# Allegro board LAY-29364_B.brd (continued)
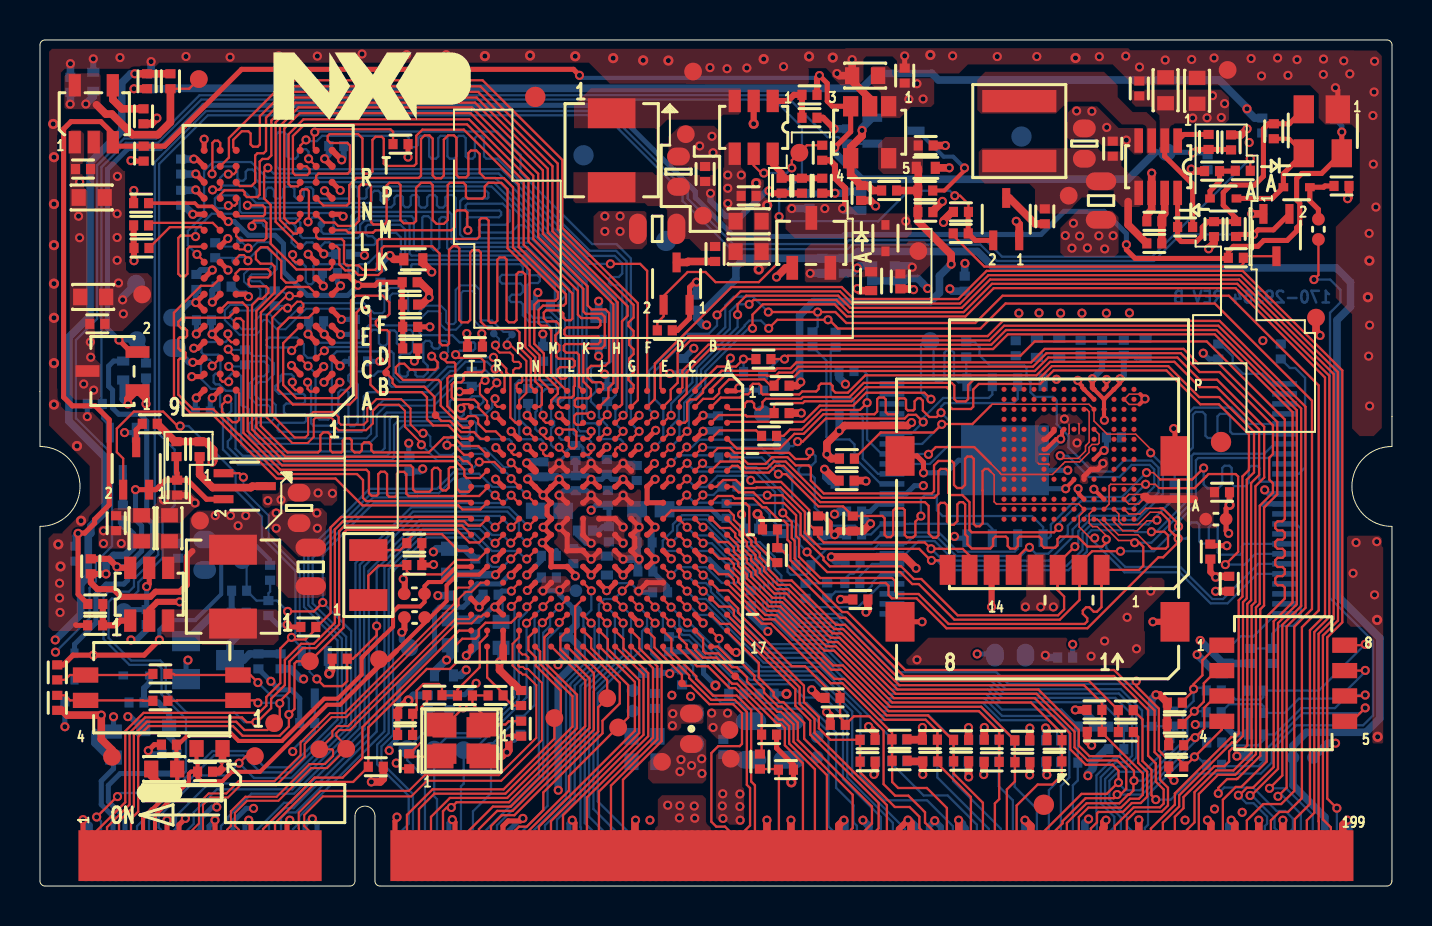
[diagram p0: board, top side]
## Nets (continued)
ECSPI4_MOSI: P801.121 U101.B15
ECSPI4_SCLK: P801.119 U101.A16
ECSPI4_SS0: P801.109 U101.D16
EMMC_VDDIM: C311.1 C312.1 U301.C2
ENET1_CRS_DV: P801.101 U101.E16
ENET1_NINT: P801.12 U101.N8
ENET1_RXD0: P801.97 TP402.1(PIN1) U101.F16
ENET1_RXD1: P801.99 U101.E17
ENET1_RXER: P801.126 U101.D15
ENET1_TX_CLK: C417.2 P801.118 R409.2
ENET1_TXD0: P801.122 U101.E15
ENET1_TXD1: P801.124 U101.E14
ENET1_TXEN: P801.114 U101.F15
ENET2_CRS_DV: P801.117 U101.B17
ENET2_NINT: P801.42 U101.N11
ENET2_RXD0: P801.111 TP403.1(PIN1) U101.C17
ENET2_RXD1: P801.113 U101.C16
ENET2_TXD0: P801.123 U101.A15
ENET_MDC: P801.53 U101.L16
ENET_MDIO: P801.61 U101.K17
GPANAIO: U101.R13
GPIO_0: P801.64 U101.K13
GPIO_1: P801.62 U101.L15
GPIO_2: P801.58 U101.L14
GPIO_3: P801.55 U101.L17
GPIO_4: P801.47 U101.M16
GPIO_5: P801.49 Q703.2 R725.1 U101.M17
GPIO_9: P801.56 U101.M15
GPIO_DVFS: P801.34 Q702.2 R715.1 U101.P10
HDMI_INT: P801.66 U101.K15
I2C1_SCL: P801.75 U101.G17
I2C1_SDA: P801.77 U101.G16
I2C2_SCL: P801.79 U101.F17
I2C2_SDA: P801.68 U101.G13
JTAG_MOD: P801.33 R507.1 U101.P15
JTAG_NTRST: P801.48 TP502.1(TP) U101.N14
JTAG_TCK: P801.54 R503.1 TP505.1(TP) U101.M14
JTAG_TDI: P801.43 TP503.1(TP) U101.N16
JTAG_TDO: P801.52 TP506.1(TP) U101.N15
JTAG_TMS: P801.46 TP504.1(TP) U101.P14
LCD_DATA0: P801.153 R630.1 R631.2 SW601.1 U101.B9
LCD_DATA1: P801.155 R623.1 R632.2 U101.A9
LCD_DATA2: P801.164 R622.1 R633.2 U101.E10
LCD_DATA3: P801.154 R621.1 R634.2 U101.D10
LCD_DATA4: P801.158 R620.1 R635.2 U101.C10
LCD_DATA5: P801.149 R629.1 R636.2 SW601.2 U101.B10
LCD_DATA6: P801.151 R628.1 R637.2 SW601.3 U101.A10
LCD_DATA7: P801.166 R627.1 R638.2 SW601.4 U101.D11
LCD_DATA8: P801.143 R616.1 R639.2 U101.B11
LCD_DATA9: P801.145 R615.1 R640.2 U101.A11
LCD_DATA10: P801.152 R614.1 R641.2 U101.E12
LCD_DATA11: P801.148 R613.1 R642.2 U101.D12
LCD_DATA12: P801.150 R612.1 R643.2 U101.C12
LCD_DATA13: P801.139 R611.1 R644.2 U101.B12
LCD_DATA14: P801.141 R610.1 R645.2 U101.A12
LCD_DATA15: P801.142 R609.1 R646.2 U101.D13
LCD_DATA16: P801.144 R608.1 R647.2 U101.C13
LCD_DATA17: P801.133 R607.1 R648.2 U101.B13
LCD_DATA18: P801.137 R606.1 R649.2 U101.A13
LCD_DATA19: P801.138 R605.1 R650.2 U101.D14
LCD_DATA20: P801.140 R604.1 R651.2 U101.C14
LCD_DATA21: P801.129 R603.1 R652.2 U101.B14
LCD_DATA22: P801.131 R602.1 R653.2 U101.A14
LCD_DATA23: P801.134 R601.1 R654.2 U101.B16
LCD_DE: P801.163 U101.B8
LCD_DISP: P801.10 U101.R6
LCD_HSYNC: P801.160 U101.D9
LCD_PCLK: C414.2 P801.161 R413.2
LCD_RESET: R404.1 R405.1 U101.E9
LCD_RST: P801.157 R405.2
LCD_VSYNC: P801.162 U101.C9
MX6_POR_B: P801.4 R757.1
NAND_ALE: R301.1 R412.2 U301.K5 U302.17
NAND_CE3N: R311.2 R319.2 U302.14
NAND_CE4N: R312.2 R320.2 U302.15
NAND_CLE: U101.A4 U302.16 U303.7
NAND_DATA0: J301.7 R321.2 R324.2 U101.D7 U301.A3
NAND_DATA1: J301.8 U101.B7 U301.A4 U302.30
NAND_DATA2: J301.1 U101.A7 U301.A5 U302.31
NAND_DATA3: J301.2 U101.D6 U301.B2 U302.32
NAND_DATA4: U101.C6 U301.B3 U302.41
NAND_DATA5: U101.B6 U301.B4 U302.42
NAND_DATA6: U101.A6 U301.B5 U302.43
NAND_DATA7: U101.A5 U301.B6 U302.44
NAND_DQS: R315.2 R408.2 U302.35 U303.1
NAND_NCE0: R318.2 U101.C5 U302.9 U303.2
NAND_NCE1: R303.2 U101.B5 U302.10 U303.3(W\/DQ2)
NAND_NRE: C415.2 J301.5 R406.2 U301.M6 U302.8
NAND_NREADY: R323.1 TP301.1(TP) U101.A3 U303.5
NAND_NWE: J301.3 R322.2 R407.2 U301.M5 U302.18
NAND_NWP: TP303.1(TP) U101.D5 U302.19(W\P\) U303.6
NAND_RB0: R304.1 R305.1 R306.1 R317.2 R323.2 U302.7
NAND_RB1: R306.2 U302.6
NAND_RB2: R305.2 U302.5
NAND_RB3: R304.2 U302.4
NUSB_OTG_CHD: P801.31 U101.U16
NVCC_CSI: C404.1 C809.1 C818.1 P801.196 R703.2 R704.2 U101.F4
NVCC_NAND: C304.1 C305.1 C306.1 C319.1 C321.1 C322.1 C323.1 C403.1 R701.2 R702.2 U101.E7 U301.C6 U301.M4 U301.N4 U301.P3 U301.P5
NVCC_PLL_OUT: C121.1 C122.1 U101.P13
NVCC_SD: C405.1 C732.1 C733.1 R402.1 R403.1 R720.1 R721.1 R731.2 TP709.1(TP) U101.C4 U707.5
NWDOG: C738.1 R404.2
ONOFF: P801.14 TP508.1(TP) TP816.1(TP) U101.R8
OSC_CLK: C506.1 R508.2 R514.1 Y501.1 Y503.3
PERI_PWREN: P801.44 U101.P11
PMIC_ON_REQ: P801.5 Q704.2 R733.2 U101.T9
PMIC_STBY_REQ: P801.3 Q501.2 Q701.2 R714.1 U101.U9
POR_B: C503.1 P801.16 R511.2 R519.2 TP507.1(TP) U101.P8
RTC_XTALI: C507.1 U101.T11 Y502.1
RTC_XTALO: C508.1 U101.U11 Y502.2
SD1_CD: P801.74 U101.J14
SD1_CLK: C418.2 P801.179 R411.2
SD1_CMD: P801.173 R402.2 U101.C2
SD1_DATA0: P801.167 R403.2 U101.B3
SD1_DATA1: P801.171 U101.B2
SD1_DATA2: P801.175 U101.B1
SD1_DATA3: P801.169 U101.A2
SHIFT_NOE: P801.18 U101.N9
SHIFT_STCP: P801.24 U101.N10
UART1_RXD: P801.63 TP803.1(TP) U101.K16
UART1_TXD: P801.57 TP802.1(TP) U101.K14
UART2_CTS_BB: P801.69 U101.H17
UART2_RTS_BB: P801.73 U101.H16
UART2_RXD: P801.67 U101.J16
UART2_TXD: P801.65 U101.J17
USB_OTG1_DN: P801.27 TP807.1(TP) U101.T15
USB_OTG1_DP: P801.25 TP808.1(TP) U101.U15
USB_OTG1_VBUS: C407.1 C807.1 C808.1 P801.13 TP809.1(TP) U101.T12
USB_OTG2_DN: P801.21 U101.T13
USB_OTG2_DP: P801.19 U101.U13
USB_OTG2_VBUS: C412.1 C805.1 C806.1 P801.11 U101.U12
VEXT_3V3: L801.2 L802.2 P801.85 P801.87 P801.88 P801.89 P801.90 P801.91 P801.92 P801.93
VLDO_1V8: C723.1 C724.1 D701.A R702.1 R704.1 TP707.1(TP) U705.2(VOUT)
VLDO_3V3: C718.1 C719.1 R709.1 TP704.1(TP) U704.5(VOUT)
VSYS: C701.1 C702.1 C703.1 C704.1 C708.1 C711.1 C712.1 C713.1 C716.1 C717.1 C725.1 C726.1 C729.1 C730.1 C731.1 C811.1 C812.1 C813.1 C814.1 P801.96 P801.98 P801.100 P801.102 P801.104 P801.106 P801.108 P801.110 P801.112 R716.1 R759.1 TP814.1(TP) U701.3 U702.4(VIN) U703.2(VIN) U704.1 U706.4(VIN) U707.1
XTAL_CMPT: R516.1 R517.1 Y501.2 Y503.4(VCC)
XTALI: C505.1 R508.1 R510.1 R518.1 U101.T16
XTALO: R514.2 R520.2 U101.T17
ZQPAD: R205.2 U101.N4
N299288: R413.1 U101.A8
N300247: C420.2 R409.1 U101.F14
N300263: C421.1 R410.1 U101.D17
N309462: R515.2 R518.2 Y501.3 Y503.1
N470460: C727.1 C728.1 C819.1 L703.2 R719.1 R728.1 R736.1 TP708.1(TP)
N470472: C819.2 R719.2 R723.1 U706.6
N475886: C705.1 C706.1 C820.1 L702.2 R706.1 R707.1 R708.1 R729.1 R737.1 TP702.1(TP)
N475908: C820.2 Q701.1(SOURCE) Q702.1(SOURCE) R706.2 R713.1 U702.6
N476046: L702.1 U702.3
N476911: Q701.3 R707.2
N477774: Q702.3 R708.2
N482885: R726.1 U703.1
N482959: C714.1 C715.1 L701.2 R717.1 R730.1 R734.1 TP705.1(TP) U703.5
N483005: R717.2 R718.1 U703.7
N483147: L701.1 U703.3
N535963: C720.1 U704.4
N549057: C737.1 R716.2 R733.1 R758.2 U703.8 U708.2
N560035: C735.1 R722.1 U706.1
N97352648: R618.1 R628.2 SW601.6
N97352650: R617.1 R627.2 SW601.5(B4)
N97352656: R619.1 R629.2 SW601.7
N97352662: R624.1 R630.2 SW601.8
N97516911: Q703.3 R721.2
N97552352: Q703.1(SOURCE) R720.2 R724.1 U707.4
N97596057: R625.1 R656.2 SW602.4($PIN4)
N97596081: R626.1 R655.2 SW602.3
N98008264: C422.2 R411.1 U101.C1
N98468969: Q704.3 R735.2 R740.2
N98472195: Q705.3 R734.2
N98472663: Q706.3 R736.2
N98473370: Q707.3 R737.2
N98645062: C501.1 R501.1 R512.2 U501.3(VCC)
N98645064: R501.2 R511.1 U501.2
N98716241: C739.1 D702.C R757.2
N98716244: D702.A D705.A R758.1 U708.3
N98738134: C738.2 D705.C R755.1
N99172123: Q501.3 R513.2 R515.1
N100035660: C707.1 R710.1 U702.1
N100054789: L703.1 U706.3
N100071137: R307.1 U302.48
N100071182: R302.2 R308.1 U302.39
N100071695: R309.1 U302.34
N100071844: R324.1 U302.29
N100071879: R310.1 U302.25
N100072724: C423.2 R406.1 U101.D8
N100072774: R412.1 U101.B4
N100072844: R407.1 U101.C8
N100072898: R408.1 U101.E6

Pads without a net: NOREF#6 1; NOREF#126 1; NOREF#149 1; NOREF#208 1; NOREF#209 1; NOREF#213 1; P801 83 86 94 95; U301 A1 A2 A6 A7 A8 A9 A10 A11 A12 A13 A14 B1 B7 B8 B9 B10 B11 B12 B13 B14 C1 C3 C5 C7 C8 C9 C10 C11 C12 C13 C14 D1 D2 D3 D4 D12 D13 D14 E1 E2 E3 E5 E8 E9 E10 E12 E13 E14 F1 F2 F3 F10 F12 F13 F14 G1 G2 G3 G10 G12 G13 G14 H1 H2 H3 H5 H12 H13 H14 J1 J2 J3 J5 J12 J13 J14 K1 K2 K3 K6 K7 K10 K12 K13 K14 L1 L2 L3 L12 L13 L14 M1 M2 M3 M7 M8 M9 M10 M11 M12 M13 M14 N1 N3 N6 N7 N8 N9 N10 N11 N12 N13 N14 P1 P2 P7 P8 P9 P10 P11 P12 P13 P14; U302 1 2 3 11 20 21 22 23 24 26 27 28 33 38 40 45 46 47

## Via types
v1: diameter 0.457, hole 0.254, TOP to BOTTOM, 689 vias
v2: diameter 0.508, hole 0.254, TOP to BOTTOM, 39 vias

## Routing (per net, layer and track width the routed paths; a pad name or vN(x,y) marks a point on that pad's centre or on a via; arc(x,y) is an arc through that point)
GND: length 327.7
  TOP w0.076: 54.98,24.11 54.46,24.11 U301.N2 54.46,24.62 55.02,24.62
  TOP w0.203: U301.K8 51.11,22.76 51.11,22.44 v1(51.04,22.37) 50.81,22.37 50.3,21.86 U301.H10 ; v1(52.7,19.86) 52.7,19.86 U301.C4 ; U301.P4 53.33,24.99 v1(53.33,25.35) ; U301.N5 U301.P6 52.11,24.96 52.11,25.03 51.96,25.17 51.96,25.24 v1(51.89,25.31) ; v1(51.29,19.89) 51.29,19.91 51.7,20.33 U301.E7 ; 54.98,24.11 v1(55.25,24.38) 55.02,24.62 ; U301.G5 53.14,21.8 v1(53.21,21.8)
  TOP w0.254: v1(12.36,13.08) 12.47,12.97 R714.2 ; C744.2 4.8,36.28 4.77,36.31 v1(4.55,36.31) ; v1(20.97,24.74) 21.52,24.74 U101.U1 ; J301.G2 56.75,22.83 v1(56.69,22.9) ; U101.C3 33.13,23.56 v1(33.16,23.56) ; U101.J5 v1(28.34,21.97) ; U201.A9 v1(7.81,24.43) ; J301.G3 43.86,21.53 44.18,21.2 v1(44.18,20.68) ; P801.29 10.55,3.19 v1(10.44,3.3) ; v1(22.76,16.36) 23.16,16.76 U101.R11 ; v2(35.88,18.62) 36.13,18.37 C414.1 ; U101.L3 26.33,23.19 v1(25.96,23.56) ; v1(32.83,30.23) 32.74,30.23 32.48,29.97 Q706.1 32.48,28.42 31.88,27.81 C746.2 ; U201.D8 8.61,27.62 v1(8.6,27.62) U201.E8 ; U101.C11 32.76,16.76 v1(33.16,16.36) ; U101.A1 34.79,24.79 v1(34.95,24.94) ; U201.T9 v1(8.21,37.38) ; v1(22.8,21.94) 23.15,21.58 U101.R5 ; U201.B3 v1(12.58,26.06) ; v1(8.62,29.22) 8.62,29.23 U201.G8 ; U101.H7 28.78,19.98 v1(29.16,20.36) 29.18,20.36 U101.G7 ; U201.J8 v1(9.4,30.83) ; v1(56.7,5.29) 56.44,5.55 R638.1 ; P801.35 12.35,3.16 v1(12.49,3.3) ; v1(64.78,39.96) 64.89,39.84 U708.1 ; v1(15.16,33.52) 15.05,33.62 U201.M1 ; v1(24.38,20.37) U101.N7 25.16,19.59 v1(25.16,19.56) ; R510.2 17.88,7.94 17.89,7.95 C505.2 17.89,8.87 18.31,9.29 v2(18.42,9.29) ; U101.H12 28.76,15.96 v1(29.16,15.56) 29.56,15.96 U101.G12 ; C421.2 36.83,6.9 37.68,6.06 C416.2 37.68,5.3 v2(37.57,5.19) ; R208.2 v1(19.49,27.99) ; v1(25.16,19.56) 25.53,19.19 U101.M8 25.36,18.98 25.36,18.59 U101.M9 25.56,18.36 v1(25.16,17.96) 25.53,17.58 U101.M10 25.2,17.22 25.16,17.22 v1(25.12,17.18) 25.51,16.79 U101.M11 U101.M12 U101.L12 26.77,15.58 v1(26.77,15.52) ; v1(25.16,19.56) 25.56,19.96 U101.M7 25.58,19.98 v1(25.96,20.36) 26.33,19.98 U101.L7 ; U101.G3 29.58,23.19 v1(29.96,23.56) ; U101.N5 24.73,21.58 v1(24.36,21.96) ; U101.G5 v1(29.94,21.96) ; U101.J7 27.93,19.98 v1(27.56,20.36) 27.18,19.98 U101.K7 ; U201.F9 7.83,29.21 v1(7.79,29.21) U201.G9 ; J301.G4 v1(44.11,13.23) ; v1(22.76,23.56) 22.78,23.56 U101.R3 ; U101.J12 27.96,15.96 v1(27.56,15.56) 27.56,15.58 U101.K12 ; P801.17 6.95,3.07 v1(7.27,3.39) ; P801.41 17.75,3.25 17.85,3.35 v1(17.85,3.45) ; U101.F12 30.38,15.98 v1(30.76,16.36) 30.36,16.76 U101.F11 ; v1(59.44,17.65) 59.31,17.78 59.31,18.9 v2(59.48,19.08) ; v1(7.59,25.5) 8.08,25.5 U201.B9 ; P801.59 23.15,3.01 23.4,3.26 24.02,3.26 v1(24.15,3.39) ; C224.2 18.89,26.44 v1(18.72,26.27) ; U101.F6 v1(30.72,21.15) ; v1(30.76,20.36) 30.73,20.36 U101.F7 U101.F8 U101.E8 ; C508.2 19.09,16.78 C507.2 19.65,16.06 v1(19.68,16.09) ; U201.M9 v1(7.64,33.62) ; U101.A17 34.65,11.69 v1(34.81,11.69) ; U201.E1 v1(15.03,27.61) ; v1(33.16,20.36) 32.78,19.98 U101.C7 ; U101.C15 32.76,13.56 v1(33.16,13.16) ; U101.T14 22.36,14.36 v1(21.96,13.96) 21.96,13.98 U101.U14 ; P801.15 v1(6.35,3.3) ; C707.2 1.81,13.05 1.78,13.08 ; C506.2 23.55,7.5 v1(23.41,7.36) ; v1(24.36,23.56) 24.73,23.19 U101.N3 ; C806.2 5.71,7.08 v1(5.42,6.78) ; U201.G1 v1(15.03,30.04) ; R201.1 v1(18.4,36.48) ; U101.R16 U101.R17 ; P801.71 26.75,3.16 v1(26.61,3.3) ; P801.51 20.75,3.19 v1(20.62,3.32) ; U101.U17 21.56,11.78 v1(21.32,11.54) ; C731.2 v1(43.24,41.55) ; U201.J2 v1(13.41,31.62) ; U201.B1 v1(14.2,25.21) ; U101.R7 v1(22.78,20.36) ; U101.F10 30.38,17.58 v1(30.76,17.96) 30.36,18.36 U101.F9 ; U201.E2 v1(14.21,27.62) U201.D1 ; U101.E11 v1(31.57,16.38) ; P801.23 v1(8.75,3.3) ; U201.P1 v1(15.01,34.82) ; U101.G15 29.56,13.56 v1(29.96,13.16) ; P801.1 v1(2.15,3.32) ; U201.P9 v1(7.79,35.64)
  TOP w0.305: U201.T1 v1(15.08,36.35) ; C407.2 18.22,12.83 v1(18.09,12.7) ; C412.2 18.24,14.66 18.24,15.29 v1(18.16,15.37) ; J301.6 47.58,13.98 v1(47.58,13.97) ; v1(21.34,27.65) 21.38,27.62 C216.2 ; v1(39.75,34.68) R723.2 ; P801.125 42.95,2.85 v1(43.4,3.3) ; v1(58.79,15.46) 58.52,15.72 C310.2 ; C311.2 59.48,19.71 v2(59.48,19.08) ; U702.2 5.46,13.82 5.87,14.22 v1(6.99,14.22) ; v1(39.71,37.9) 39.15,38.46 C735.2 ; v1(23.35,6.7) 23.14,6.49 Y501.4 ; R713.2 7.36,19.56 v1(7.75,19.17) ; J301.G1 v1(55.65,13.23) ; C203.2 4.68,34.8 v1(4.69,34.81) ; R204.1 4.68,31.95 R209.2 v1(4.7,31.3) ; U706.2 v2(35.69,38.15) ; v2(14.46,10.64) 14.61,10.79 R715.2
  TOP w0.381: U101.R17 23.16,11.39 v1(22.98,11.21) 22.98,10.81 23.64,10.15 23.67,10.15 24.03,9.79 R520.1 ; v1(39.85,40.67) 39.96,40.56 C730.2 ; v1(43.68,29.85) 43.64,29.89 C724.2 ; v1(48.82,33.27) 48.96,33.12 Q705.1 ; C730.2 v1(40.61,41.36) ; C730.2 40.61,40.29 41.49,39.42 U707.2 ; P801.127 43.55,3.15 v1(43.4,3.3) ; v1(41.3,13.71) 41.4,13.8 C322.2 ; U705.1 37.29,30.94 v1(36.83,30.48) ; C737.2 58.7,32.18 58.44,31.91 v1(58.44,31.89) ; v1(5.85,38.44) 5.56,38.15 C720.2 ; Q704.1 v1(60.59,33.64) ; P801.177 58.55,3.13 v1(58.38,3.3) ; v1(65.38,3.3) 65.15,3.07 P801.199 ; v1(6.02,5.07) 5.56,5.53 C805.2 ; v1(4.4,24.13) 4.4,24.38 4.84,24.82 U701.1 5.3,24.4 v1(5.3,24.13) ; v1(55.59,35.68) U703.6 55.59,33.84 55.35,33.6 R718.2 ; P801.115 39.95,3.05 v1(40.2,3.3) ; v1(16.57,5.21) 17.01,5.21 17.17,5.36 R507.2 ; C739.2 57.67,35.78 v1(57.56,35.89) ; R639.1 49.5,5.58 v1(49.49,5.56) ; v1(41.78,34.04) 41.51,34.31 R724.2 ; R648.1 43.39,6.24 R649.1 v1(44.14,5.59) ; v1(64.01,27.56) 63.81,27.76 TP806.1 ; R632.1 52.37,7.26 v1(52.59,7.04) ; P801.185 v1(60.95,3.3) ; C321.2 39.8,20.29 v1(39.23,20.86) ; C723.2 40.97,29.8 v1(40.87,29.9) ; R637.1 56.44,7.49 56.36,7.56 R636.1 56.36,9.17 R631.1 55.98,9.57 v1(55.8,9.57) ; v1(47.19,5.58) 47.21,5.6 R645.1 ; C323.2 58.83,15.5 v1(58.79,15.46) ; v1(59.57,3.3) 59.57,3.29 59.75,3.11 P801.181 ; R644.1 v1(46.44,5.46) ; P801.81 29.75,3.27 v1(29.78,3.3) ; v1(23.35,6.7) 23.44,6.79 23.44,7.33 v1(23.41,7.36) ; R652.1 41.76,5.64 v1(41.7,5.59) ; C732.2 v1(45.47,35.95) ; v1(49.25,3.3) 49.55,3 P801.147 ; v1(45.18,33.22) 45.18,33.31 45.61,33.74 C736.2 ; P801.159 53.15,2.87 53.2,2.93 53.2,3.2 v1(53.3,3.3) ; R653.1 39.52,8.53 v1(39.33,8.71) ; R755.2 65.46,34.48 v1(65.38,34.4) ; v1(17.5,31.56) 17.69,31.37 C223.2 ; C807.2 9.13,6.27 9.28,6.12 v1(9.28,6.05) 8.95,5.73 C808.2 ; C733.2 v1(45.27,37.06) ; v1(45.94,3.3) 45.95,3.29 P801.135 ; R640.1 v1(50.35,5.56) ; P801.189 v1(62.15,3.3) ; P801.107 v1(37.55,3.3) ; P801.165 v1(54.95,3.31) ; P801.103 v1(36.35,3.3)
  BOTTOM w0.254: v1(45.73,17.5) 45.82,17.41 U303.4 ; C226.2 18.44,21.53 v1(18.44,22.17) ; v1(58.17,26.67) 58.46,26.38 R310.2 ; C205.2 16.17,31.62 v1(16.22,31.57) ; C206.2 14.87,30.2 v1(15.03,30.04) ; v1(24.15,3.39) 24.06,3.39 23.45,2.78 P801.60 ; v1(28.23,25.62) 28.36,25.5 R202.2 ; 48.75,20.81 49.68,19.89 v1(51.29,19.89) ; 48.75,20.81 U303.9 ; 48.75,20.81 v1(51.39,20.81) ; v1(29.16,20.36) 28.58,20.36 C221.2 28.1,20.36 v1(27.56,20.36) 27.38,20.53 C113.2 ; v1(7.79,29.21) 7.49,29.21 C211.2 ; U303.9 49.98,21.31 v1(51.04,22.37) ; U303.9 45.93,21.31 45.3,20.68 v1(44.18,20.68) ; v2(14.46,10.64) 14.39,10.71 Q501.1 ; v1(46.86,11.62) 47.69,11.62 C314.2 ; C218.2 8.57,27.65 v1(8.6,27.62) ; U302.13 43.31,19.63 43.73,20.04 v1(44.17,20.04) ; C418.1 35.07,24.82 v1(34.95,24.94) ; v1(7.81,24.43) 7.76,24.38 C217.2 ; v1(10.44,3.3) 10.25,3.11 P801.28 ; v1(5.42,6.78) 5.58,6.62 C804.2 ; v2(37.33,9.62) 37.32,9.62 C417.1 ; Q707.1 v1(4.23,22.7) ; C308.2 39.48,20.19 39.23,20.45 v1(39.23,20.86) ; C415.1 36.19,17.64 C403.2 35.93,18.47 35.88,18.53 v2(35.88,18.62) ; C745.2 v1(2.36,23.49) ; v1(53.21,21.8) 53.33,21.91 C318.2 ; R641.1 34.12,15.7 33.45,16.36 v1(33.16,16.36) ; C423.1 34.02,18.4 33.54,18.88 31.39,18.88 31.25,18.75 ; v1(57.56,35.89) 57.6,35.85 C747.2 ; v1(26.61,3.3) 26.45,3.13 P801.70 ; C113.2 26.79,21.29 C212.2 ; C113.2 26.77,20.55 ; C113.2 26.13,20.53 v1(25.96,20.36) ; v1(30.76,17.96) 30.61,17.81 C103.2 30.61,16.51 v1(30.76,16.36) 30.65,16.25 C102.2 30.65,15.73 31.38,14.99 C401.2 ; C207.2 14.18,27.65 v1(14.21,27.62) ; U302.36 61.44,19.63 v1(61.24,19.83) ; P801.26 9.65,3.05 9.72,3.12 9.72,3.3 10.31,3.89 10.67,3.89 v1(10.68,3.89) ; P801.20 7.85,2.7 8.02,2.87 8.02,3.36 8.62,3.95 v1(8.84,3.95) ; P801.40 13.85,3.13 v1(13.62,3.36) 13.54,3.36 13.25,3.07 P801.38 ; v1(17.5,31.56) 17.02,31.09 C202.2 ; C405.2 33.18,23.54 v1(33.16,23.56) ; v1(27.56,18.81) 27.8,19.06 C111.2 28.45,19.01 C109.2 28.14,17.98 27.95,17.79 C108.2 ; C422.1 34.43,26.33 v1(34.52,26.42) ; C420.1 32.56,11.73 33.18,11.11 33.18,10.63 v2(33.78,10.04) ; v1(24.89,29.71) 24.77,29.59 R203.2 ; P801.22 8.45,3 v1(8.75,3.3) ; C801.2 v1(3.68,8.47) ; P801.50 20.45,3.16 v1(20.62,3.32) ; v1(12.36,13.08) 11.88,13.08 C503.2 ; v1(15.03,27.61) 15.03,27.61 C213.2 ; 25.82,16.8 C124.2 ; U501.1 7.3,11.21 v1(7.4,11.31) ; v1(24.36,23.56) 24.41,23.61 R205.1 ; v1(1.24,7.98) C802.2 ; C313.2 v1(51.64,12.1) ; C214.2 v1(16.99,26.26)
  BOTTOM w0.305: v1(18.09,12.7) 18.09,12.31 TP805.1 ; v1(15.08,36.35) 15.19,36.45 C210.2 ; v1(4.39,8.48) 4.5,8.48 5.06,7.92 C803.2 ; v1(7.79,29.21) 7.79,29.83 C208.2 ; C722.2 39.74,34.66 v1(39.75,34.68) ; C209.2 8.62,29.81 v1(8.62,29.22) ; C204.2 25.16,27.62 v1(25.14,27.63) ; C404.2 v1(32.69,26.91) ; P801.132 45.05,2.97 44.74,3.27 v1(44.74,3.27) 44.45,2.98 P801.130 ; v1(2.66,41.4) 2.67,41.4 C718.2
  BOTTOM w0.381: R633.1 55.59,9.36 v1(55.8,9.57) ; R654.1 41.78,5.67 v1(41.7,5.59) ; C319.2 46.24,31.15 v1(46.25,31.17) ; C309.2 39.96,18.74 39.83,18.61 v1(39.73,18.61) ; P801.128 43.85,2.91 43.46,3.3 v1(43.4,3.3) ; v1(44.14,5.59) 44.12,5.61 R651.1 44.1,6.24 R650.1 ; v1(40.2,3.3) 40.25,3.25 P801.116 ; C122.2 23.05,11.29 v1(22.98,11.21) ; P801.200 65.45,3 65.38,3.07 v1(65.38,3.3) ; v1(45.94,3.3) 46.13,3.11 46.13,3.01 46.25,2.89 P801.136 ; TP815.1 4.13,29.48 v1(4.13,29.34) ; v1(46.44,5.46) 46.41,5.49 R646.1 ; v1(59.57,3.3) 59.57,3.18 59.45,3.06 P801.180 ; C220.2 7.79,35.64 v1(7.79,35.64) ; v1(19.67,16.73) 19.83,16.88 C408.2 21.25,16.88 C409.2 ; v1(13.18,10.36) 13.03,10.36 12.52,10.87 C501.2 ; v1(5.3,24.13) 5.3,24.14 C710.2 ; C410.2 26.21,11.38 v1(25.9,11.07) ; P801.120 41.45,3 v1(41.15,3.3) ; C117.2 19.72,10.74 20.3,11.31 v1(20.33,11.31) 20.51,11.49 C120.2 ; R301.2 39.95,25.44 v1(40.28,25.12) ; C742.2 v1(5.56,41.26) ; P801.146 v1(49.25,3.3) ; v1(19.9,14.54) C123.2 ; P801.156 52.25,3.17 v1(52.43,3.35) ; P801.2 2.45,3.02 v1(2.15,3.32) ; v1(4.4,24.13) 4.16,24.37 C709.2 ; C225.2 v1(27.93,29.27) ; C721.2 40.39,34.76 40.3,34.68 v1(39.75,34.68) ; v1(52.4,5.52) 52.4,5.63 52.64,5.87 R634.1 53.32,6.85 R635.1 ; v1(58.01,12.29) 59.15,11.16 R307.2 59.46,11.14 R308.2 ; R725.2 v1(39.71,37.9) ; C119.2 21.77,11.99 v1(21.32,11.54) ; v1(50.35,5.56) 50.29,5.62 R643.1 ; C219.2 7.19,34.08 v1(7.64,33.62) ; v1(21.96,13.96) 21.96,14.38 C121.2 ; v1(64.78,7.15) 64.39,7.15 C809.2 ; R516.2 18.68,9.55 v2(18.42,9.29) ; v1(25.96,20.36) 25.84,20.48 C201.2 24.49,20.48 v1(24.38,20.37) ; R503.2 23.92,7.6 23.69,7.36 v1(23.41,7.36) ; R642.1 v1(49.49,5.56) ; R647.1 v1(47.19,5.58) ; C719.2 v1(1.52,41.16) ; C818.2 v1(32.83,30.23)
  vias: v1(0.98,15.16) v1(0.98,14.42) v1(1,13.69) v1(3.87,35.52) v1(3.86,33.65) v1(3.86,32.46) v1(3.86,31.32) v1(3.93,30.18) v1(4,41.47) v1(4.17,28.64) v1(7.3,41.52) v1(9.51,41.48) v1(11.39,19.29) v1(11.93,41.56) v1(12.05,19.34) v1(13.87,41.54) v1(13.9,19.67) v1(14.62,19.66) v1(16.1,41.65) v1(18.33,41.61) v1(20.31,41.61) v1(30.5,3.3) v1(31.6,9.55) v1(32.53,9.49) v1(32.99,37.04) v1(33.5,40.96) v1(33.6,37.53) v1(33.59,8.66) v1(33.66,36.7) v1(33.66,7.94) v1(34.35,40.91) v1(34.38,8.65) v1(35.34,40.95) v1(37.18,41.01) v1(45.64,41.55) v1(47.87,41.52) v1(48.95,28.67) v1(49.84,41.52) v1(49.96,28.69) v1(51.03,28.67) v1(51.84,38.79) v1(52.1,28.67) v1(52.6,38.78) v1(52.97,41.51) v1(53.34,37.97) v1(53.32,28.67) v1(54.29,41.54) v1(54.32,37.34) v1(54.48,28.69) v1(54.98,40.99) v1(56.27,41.34) v1(57.26,3.3) v1(57.59,41.37) v1(58.71,41.45) v1(58.73,3.85) v1(60.11,3.69) v1(60.47,37.22) v1(60.56,41.42) v1(61.08,40.55) v1(61.88,41.45) v1(62.4,40.58) v1(62.86,41.36) v1(64.18,41.39) v1(64.17,40.62) v1(65.19,41.3) v1(65.49,40.65) v1(65.66,15.66) v1(65.81,17.19) v1(66.44,26.52) v1(66.46,32.67) v1(66.49,28.07) v1(66.48,24.03) v1(66.73,41.28) v1(66.71,39.74) v1(66.65,38.56) v1(66.67,36.13) v1(66.73,14.58) v1(66.8,33.98) v1(66.84,17.24) v2(0.66,38.14) v2(0.7,36.48) v2(0.7,34.14) v2(0.7,32.08) v2(0.7,30.15) v2(0.7,28.44) v2(0.7,26.17) v2(0.7,24.1) v2(0.92,17.1) v2(1.03,16) v2(1.85,22.02) v2(2.05,18.28) v2(6.2,19.34) v2(22.25,41.54) v2(24.5,41.57) v2(26.76,41.53) v2(28.66,41.44) v2(30.16,41.33) v2(31.42,41.32) v2(35.81,35.18) v2(35.94,30.86) v2(36.19,41.39) v2(36.36,34.07) v2(38.46,41.52) v2(39.64,41.47) v2(44.52,41.6) v2(51.78,41.45) v2(66.4,29.47) v2(66.47,31.3) v2(66.86,13.32) v2(66.89,7.47)
VDD_ARM_CAP: length 7.2
  TOP w0.254: U101.H11 29.16,16.39 v1(29.16,16.36) ; v1(29.96,16.36) 29.96,16.39 U101.G11 29.74,16.97 29.74,17.4 U101.G10 29.58,17.58 v1(29.96,17.96) 29.96,17.98 U101.G9
  BOTTOM w0.254: C103.1 29.86,17.86 v1(29.96,17.96) 29.95,17.96 29.95,18.75
  BOTTOM w0.381: v1(29.96,16.36) v1(29.16,16.36) ; v1(29.96,16.36) 29.86,16.46 C103.1 ; v1(29.96,16.36) 29.9,16.3 C102.1
VDD_ARM_SOC_IN: length 4.5
  TOP w0.254: U101.H10 28.76,17.56 v1(29.16,17.16) ; U101.J9 U101.H9 ; U101.H9 28.76,18.36 v1(29.16,17.96) ; U101.H9 28.78,18.39 ; v1(27.56,17.16) 27.16,17.56 U101.K10 U101.K9
  BOTTOM w0.254: v1(27.56,17.16) 27.29,17.16 26.88,17.57 C108.1
  vias: v1(11.81,18.67) v1(11.81,17.91) v1(13.84,18.67) v1(13.87,17.91)
VDD_COIN_3V: length 13.5
  BOTTOM w0.254: P801.8 4.25,3.39 3.42,4.23 3.42,5.04 4.01,5.63 5.31,5.63
  BOTTOM w0.305: 5.31,5.63 6.55,5.63 6.85,5.93 C804.1 6.85,7.08 6.46,7.47 C803.1 6.46,8.64 5.91,9.19 R101.1 5.2,9.9 5.49,10.19 D103.A
VDD_HIGH_CAP: length 5.1
  TOP w0.254: U101.R15 23.12,13.58 v1(22.74,13.97) U101.R14
  TOP w0.381: U101.N6 24.37,21.17 v1(24.34,21.17)
  BOTTOM w0.254: C119.1 22.02,13.35 22.63,13.97 v1(22.74,13.97)
  BOTTOM w0.381: C119.1 21.77,13.35 C120.1 ; C201.1 24.39,21.23 v1(24.34,21.17)
VDD_HIGH_IN: length 2.3
  TOP w0.254: U101.N13 v1(24.37,14.79)
  BOTTOM w0.254: v1(24.37,14.79) 25.02,15.44 C118.1
  BOTTOM w0.381: v1(21.31,10.82) 21.04,10.54 C117.1
  vias: v1(31.64,8.63) v1(31.62,8.03)
VDD_SNVS_3V3: length 104.9
  TOP w0.254: 59.42,31.47 59.42,31.76 59.68,32.02 60.9,32.02 61.19,32.31 62.36,32.31 62.84,32.79 62.84,32.94 62.99,33.1 62.99,34.18 62.84,34.34 62.84,35.41 63.09,35.66 64.08,35.66 U708.4 v1(65.09,37.74) ; 59.42,31.47 59.37,31.41 54.76,31.41 54.32,31.85 v1(54.32,32.1) ; 59.42,31.47 R735.1 ; U701.2 4.55,26.73 v1(3.95,27.33)
  BOTTOM w0.254: C709.1 3.68,26.28 3.43,26.02 3.43,25.02 3.63,24.82 3.63,23.92 3.94,23.61 4.99,23.61 5.33,23.27 5.33,18.41 5.63,18.12 5.63,16.8 4.38,15.56 4.38,15.3 4.19,15.11 3.3,15.11 2.79,14.61 2.79,13.17 1.73,12.1 D102.A ; v1(65.09,37.74) 65.09,38.05 C740.1 ; C710.1 5.3,26.87 TP701.1 v1(3.95,27.33) 3.37,27.9 3.37,35.88 4.41,36.91 6.02,36.91 8.18,39.08 28.45,39.08 32.77,34.76 32.77,34.46 34.71,32.51 40.13,32.51 40.23,32.61 50.05,32.61 51.21,33.77 53.21,33.77 54.32,32.65 v1(54.32,32.1)
VDD_SNVS_CAP: length 1.9
  TOP w0.254: U101.N12 v1(24.34,15.57)
  BOTTOM w0.254: C124.1 25.07,16.3 v1(24.34,15.57)
VDD_SNVS_IN: length 55.9
  TOP w0.254: v1(5.97,12.32) 5.21,11.56 v1(2.67,11.56) 1.65,11.56 1.16,11.07 R626.2 ; v1(23.56,15.56) 23.56,15.58 U101.P12
  TOP w0.381: TP812.1 3.6,6.81 3.07,7.35 v1(3.07,8.56) 1.35,8.56 1.11,8.79 R625.2
  POWER w0.254: v1(3.07,8.56) 3.07,8.32 4.13,7.26 6.46,7.26 7.05,6.67 11.31,6.67 11.84,6.15 13.13,6.15 13.66,6.67 17.35,6.67 v1(17.46,6.78)
  BOTTOM w0.203: v1(5.97,12.32) 5.97,12.83 6.45,13.31 7.76,13.31 9.06,14.61 9.06,16.47 9.61,17.02 10.81,17.02 11.5,16.32 R519.1
  BOTTOM w0.254: v1(17.46,6.78) 17.46,6.97 17.94,7.44 17.94,10.07 19.73,11.86 19.73,13.71 19.98,13.96 21.16,13.96 21.39,14.19 C123.1 21.39,14.66 21.86,15.12 23.02,15.12 23.46,15.56 v1(23.56,15.56) ; P801.6 3.65,3.49 3.06,4.08 3.06,5.26 3.68,5.87 C801.1
  BOTTOM w0.381: 2.75,7.68 2.75,7.16 3.47,6.43 C801.1
VDD_SOC_CAP: length 9.5
  TOP w0.254: U101.J11 27.96,16.76 v1(27.56,16.36) 27.16,16.76 U101.K11 U101.L11 U101.L10 26.33,17.58 v1(25.96,17.96) 26.36,18.36 U101.L9 ; U101.G8 29.53,19.19 v1(29.16,19.56) 28.78,19.19 U101.H8 ; U101.J8 27.93,19.19 v1(27.56,19.56) 27.18,19.19 U101.K8 ; U101.L8 26.33,19.19 v1(25.96,19.56)
  BOTTOM w0.254: v1(27.56,16.36) 27.06,16.86 26.76,16.86 ; v1(27.56,19.56) 27.33,19.78 C113.1 26.18,19.78 v1(25.96,19.56)
VDDA_ADC_3P3: length 77.2
  TOP w0.254: U101.M13 v1(25.15,14.78) ; U101.L13 v1(25.99,14.81)
  TOP w0.381: R709.2 R705.2 v1(4.74,40.65)
  POWER w0.381: v1(0.76,12.32) 0.79,12.29 0.93,12.29 1.59,11.63 1.59,8.95 4.35,6.19 8.37,6.19 9.05,5.51 13.41,5.51 14.09,6.19 16.85,6.19 17.56,5.48 19.88,5.48 20.56,4.8 v1(25.91,4.8)
  BOTTOM w0.254: C411.1 26.48,14.08 25.99,14.58 v1(25.99,14.81) 25.95,14.78 v1(25.15,14.78)
  BOTTOM w0.381: v1(4.74,40.65) 4.54,40.65 4.09,40.21 4.09,37.8 2.5,36.21 2.5,28.53 1.45,27.48 1.45,23.27 3.25,21.46 3.25,18.73 2.54,18.02 2.54,17.65 2.41,17.53 2.41,15.49 2.03,15.11 2.03,13.59 v1(0.76,12.32) ; v1(25.91,4.8) 25.91,10.31 26.89,11.29 26.89,12.08 26.51,12.46 C410.1 26.8,13.05 C411.1